# Altium PCB KIPGRDMCU.PcbDoc (part 2 of 2)
Units mm, origin at the board's own origin, x right, y up, seen from the top; angles counter-clockwise.
Board outline 110 x 75 mm, 2 copper layers (Top Layer, Bottom Layer), stack 1.569 mm thick; 130 components, 84 nets, 432 pads, 177 vias.
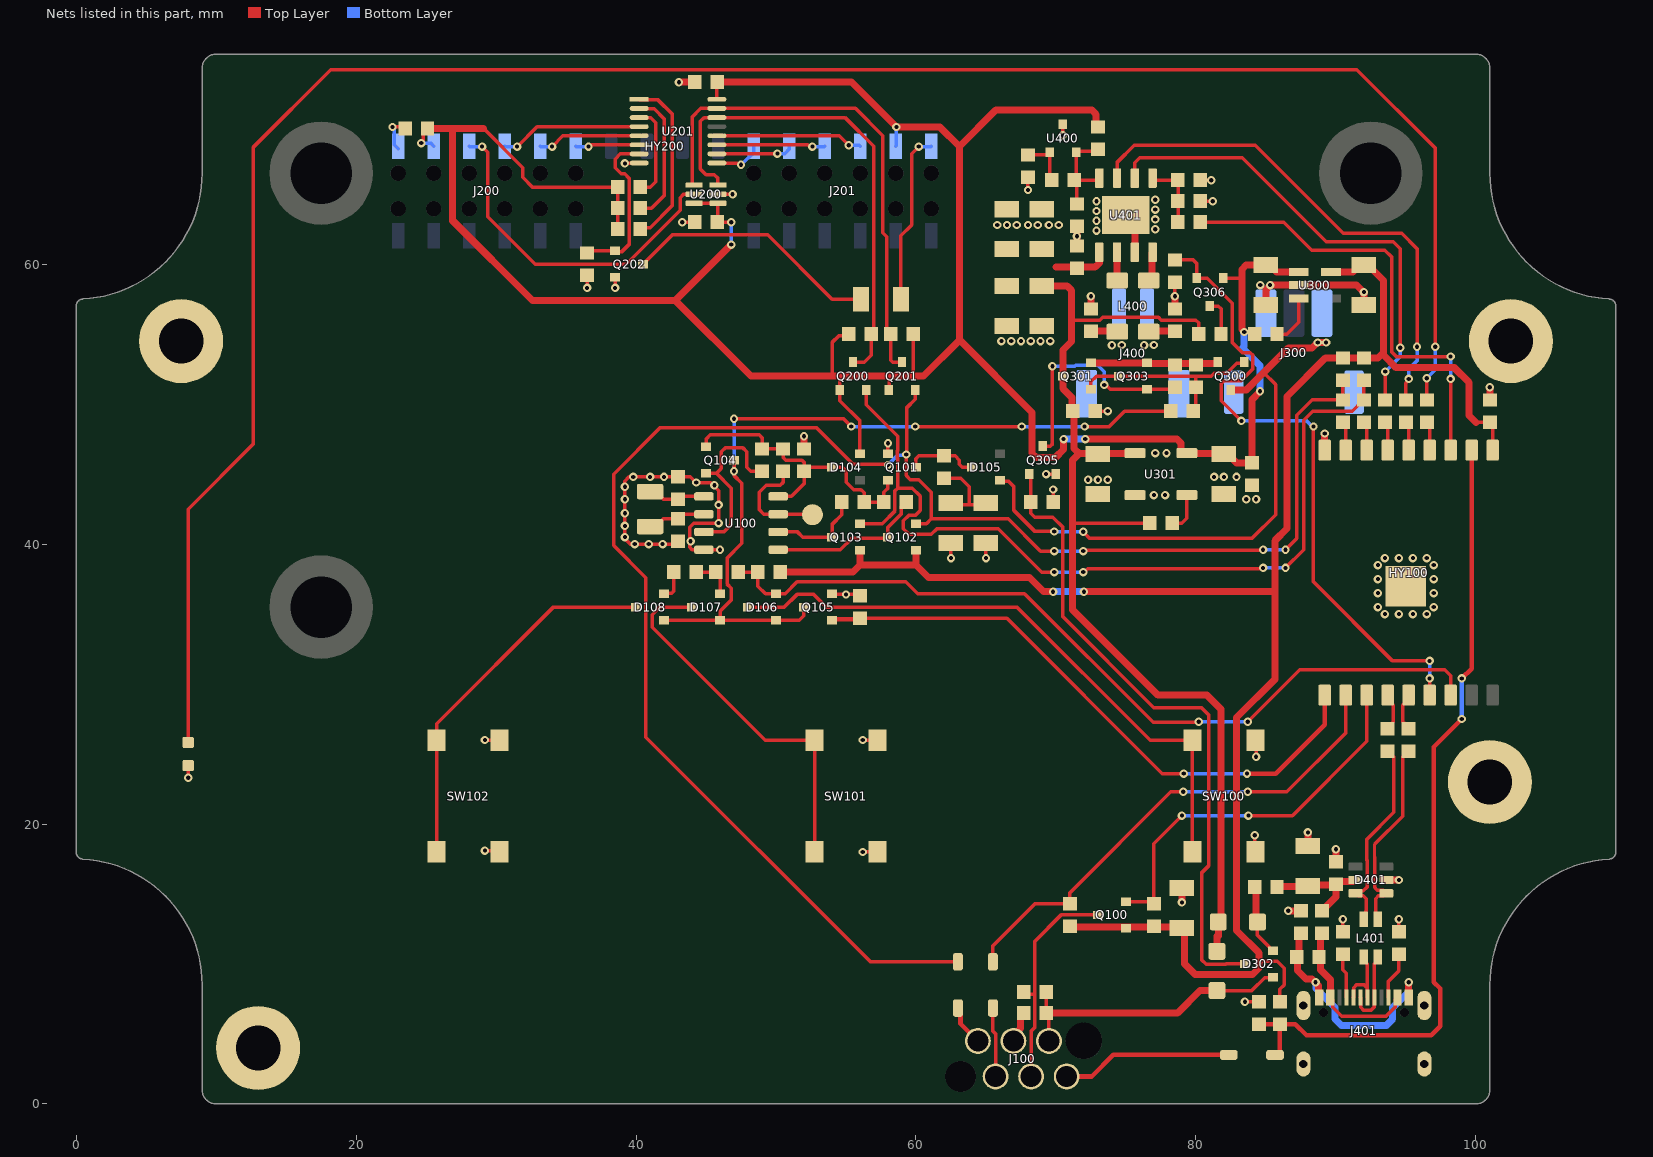
[diagram p2: the nets of this part, all layers, seen from the top]

## Part data (continued)
Y100: library part CMP-030-000070-2, "WE-XTAL Watch Crystal, SMT, CFPX-217, 32.768kHz, +/-20ppm", Frequency=32.768kHz, Frequency Stability=-, Frequency Tolerance=+/-20ppm, Load Capacitance=12.5pF, Manufacturer="Wurth Elektronik", Operating Temperature="-40 to +85degC", Component Type=Standard, ComponentLink1Description=Manufacturer, ComponentLink1URL=http://www.we-online.de, ComponentLink2Description=Datasheet, ComponentLink2URL=https://katalog.we-online.com/pbs/datasheet/830009678.pdf, Design Item ID=830009678, Manufacturer Part Number=830009678, Mounting Technology=SMT, Packaging="Tape and Reel", Pin Count=2, Published Date="July 2020", Size=CFPX-217, Source=WE-XTAL_CFPX-217.SchLib

## Free pads (board coordinates)
  round 6 hole 3.2: 1(7.5,54.5) 4(102.5,54.5) 5(13,4) 6(101,23)

## Via types
v1: diameter 0.6, hole 0.3, Top Layer to Bottom Layer, tented both sides, 177 vias

## Nets (pads, with @x,y where several pads share a name; then routed paths per layer and width w, separated by ;. In a path a pad name is that pad's centre, name@x,y a point inside that pad or via, vN(x,y) a via of type N, cw(c..) or ccw(c..) an arc to the next point about the centre after c; other vN are vias at no path point)
+2V25: C401.1 R400.1 R401.2 U400.2 U401.4 | length 7.5
  Top Layer w0.25: R401.2@71.3,66 R401.2@71.45,66 ; C401.1@71.5,64.2 R401.2@71.5,66 ; R400.1@73,68.2 73,68.05 71.45,68.05 R401.2@71.45,66 ; U401.4@73.095,66.15 73.095,66 R401.2@71.5,66 ; R401.2@71.45,66 R401.2@71.5,66
+3V3: C100.2 C101.2 C301.1 HY100.1 Q100.1 Q102.1 Q103.1 R100.2 R101.2 R110.2 R114.2 R115.2 R116.2 U300.5 | length 133.4
  Top Layer w0.25: 84.5,10.2 85.8,10.2 86.3,9.7 86.3,8.5 86,8.2 R101.2@86,7.3 ; 100,48.7 C101.2@101,48.7 101.2,48.5 HY100.1@101.2,46.71
  Top Layer w0.5: R110.2@50.3,38 55.5,38 56,38.5 ; Q103.1@56,39.55 56,38.5 ; Q102.1@60,39.55 60,38.5 ; v1(69.8,36.6) 69.1,36.6 68.1,37.6 60.9,37.6 60,38.5 ; R114.2@71,12.7 71.062,12.638 78.937,12.638 C301.1@79,12.575 79.2,12.375 79.2,10 79.95,9.25 84.036,9.25 84.5,9.714 84.5,10.2 84.5,10.8 82.9,12.4 82.9,27.6 85.636,30.336 85.636,36.6 ; v1(72,36.6) 85.636,36.6 ; U300.5@89.651,59.45 91.225,59.45 91.7,59.925 92.3,59.925 93.4,58.825 93.4,53.503 94.303,52.6 98.461,52.6 99.5,51.561 99.5,49.2 100,48.7 ; 93.4,53.7 93,53.3 R100.2@92,53.3 R116.2@90.5,53.3 89.242,53.3 86.5,50.558 86.5,41.1 85.636,40.236 85.636,36.6 ; 56,38.5 60,38.5
  Bottom Layer w0.5: v1(69.8,36.6) v1(72,36.6)
+5V: C200.2 C201.2 C202.2 C300.1 C305.1 D104.2 HY200.2 HY200.15 J200.3 J201.9 Q200.1 Q201.1 Q306.1 R200.2 R201.2 R202.2 R203.2 R204.2 R301.1 R308.1 R400.2 U200.1 U200.6 U201.16 U300.1 U301.5 | length 191.2
  Top Layer w0.25: v1(24.652,68.652) 24.652,68.725 24.79,68.863 24.79,69.39 C202.2@25.1,69.7 ; 29.1,69.7 31.9,66.9 31.9,66.2 32.6,65.5 R202.2@38.7,65.5 R203.2@38.7,64 R204.2@38.7,62.5 ; U200.6@44.149,64.35 U200.1@45.851,64.35 45.851,63.051 C201.2@45.8,63 v1(46.8,63) ; C200.2@45.8,73 45.775,72.975 U201.16@45.775,71.775 45.995,71.775 U201.16@46,71.78 ; 54,52 54,54.4 54.496,54.896 55.096,54.896 R201.2@55.2,55 ; 54.6,52 54.55,51.95 Q200.1@54.55,51 54.55,50.25 56,48.8 D104.2@56,46.45 ; Q201.1@58.05,51 58.1,51.05 58.1,52 ; 59.8,52 R200.2@59.8,55 ; Q306.1@81.95,59 83.3,59
  Top Layer w0.5: C202.2@25.1,69.7 26.9,69.7 ; 29.1,69.7 26.9,69.7 ; C200.2@45.8,73 55.4,73 v1(58.6,69.8) 61.7,69.8 63.1,68.4 ; v1(46.8,61.4) 42.8,57.4 ; v1(70.55,47.5) 70.531,47.481 70.531,46.744 69.986,46.2 68.564,46.2 68.3,46.464 68.3,49.4 63.1,54.6 ; v1(72.099,47.499) 78.654,47.499 78.947,47.206 78.947,46.6 79.047,46.5 U301.5@79.35,46.5 79.387,46.463 81.963,46.463 C305.1@82,46.425 82.3,46.425 82.625,46.1 82.625,46.093 82.918,45.8 R308.1@84,45.8 84,50.312 84.58,50.893 v1(84.58,50.92) ; R400.2@73,69.8 72.871,69.929 72.871,70.707 72.579,71 65.7,71 63.1,68.4 ; v1(83.451,55.151) 83.451,55.178 83.3,55.329 83.3,59 83.3,59.632 83.593,59.925 C300.1@85,59.925 85.3,59.925 85.775,59.45 U300.1@87.349,59.45 ; 26.9,69.7 26.9,63.1 32.6,57.4 42.8,57.4 ; 42.8,57.4 48.2,52 54,52 54.6,52 58.1,52 59.8,52 60.54,52 63.1,54.56 63.1,54.6 ; 63.1,54.6 63.1,68.4
  Bottom Layer w0.25: v1(24.652,68.652) 25.318,68.652 HY200.2@25.54,68.43 ; v1(46.8,61.4) v1(46.8,63) ; HY200.15@58.56,68.43 58.58,68.45 58.58,69.78 v1(58.6,69.8)
  Bottom Layer w0.5: v1@70.551,47.499 v1(72.099,47.499) ; v1(83.451,55.151) 83.432,55.132 83.432,54.117 83.319,54.004 84.58,52.743 v1(84.58,50.92)
/EN: D106.1 D107.1 D108.1 Q104.3 Q105.3 R303.1 | length 58.9
  Top Layer w0.25: D108.1@42,34.55 D107.1@46,34.55 ; Q104.3@47,46 v1(47,45.2) 47,44.9 47.55,44.35 47.55,40.05 46.5,39 46.5,37.15 46.8,36.85 46.8,36 46,35.2 D107.1@46,34.55 ; v1(47,48.95) 54.825,48.95 v1(55.375,48.4) ; Q105.3@52,35.5 51.982,35.482 51.982,34.882 51.65,34.55 D106.1@50,34.55 D107.1@46,34.55 ; v1(59.95,48.4) v1(67.55,48.4) ; v1(72.05,48.4) 73.8,48.4 74.9,49.5 R303.1@78.2,49.5
  Bottom Layer w0.25: v1(47,45.2) v1(47,48.95) ; v1(55.375,48.4) v1(59.95,48.4) ; v1(67.55,48.4) v1(72.05,48.4)
BT: Q202.1 R206.2 U201.7 | length 11.8
  Top Layer w0.25: R206.2@36.5,60.8 36.65,60.95 Q202.1@38.5,60.95 38.55,60.9 39,60.9 39.5,61.4 39.5,66.135 39.185,66.45 38.95,66.45 38.5,66.9 38.5,67.5 38.875,67.875 U201.7@40.225,67.875
CC1: J401.A5 R405.2 | length 3.1
  Top Layer w0.25: R405.2@90.5,10.6 90.5,9.6 90.75,9.35 J401.A5@90.75,7.605
CC2: J401.B5 R404.2 | length 3.2
  Top Layer w0.25: J401.B5@93.75,7.605 93.75,8.75 94.5,9.5 R404.2@94.5,10.5
CONTRAST: HY200.3 J200.5 U200.5 | length 24.9
  Top Layer w0.25: v1(29,68.4) 29.4,68 29.4,63.4 32.8,60 39.3,60 43.15,63.85 43.15,64.75 43.377,64.977 44.126,64.977 U200.5@44.149,65
  Bottom Layer w0.25: HY200.3@28.08,68.43 28.11,68.4 v1(29,68.4)
D4: HY200.11 J201.1 U201.9 | length 3.8
  Top Layer w0.25: U201.9@45.775,67.225 47.28,67.225 47.405,67.1 v1(47.5,67.1)
  Bottom Layer w0.25: v1(47.5,67.1) 47.52,67.1 48.4,67.98 HY200.11@48.4,68.125 ; HY200.11@48.4,68.125 HY200.11@48.4,68.43 HY200.11@48.4,68.125
D5: HY200.12 J201.3 U201.10 | length 5.5
  Top Layer w0.25: U201.10@45.775,67.875 47.291,67.875 47.316,67.9 v1(50.1,67.9)
  Bottom Layer w0.25: v1(50.1,67.9) 50.615,67.9 50.94,68.225 HY200.12@50.94,68.43
D6: HY200.13 J201.5 U201.11 | length 7.8
  Top Layer w0.25: U201.11@45.775,68.525 52.279,68.525 52.337,68.467 52.533,68.467 v1(52.6,68.4)
  Bottom Layer w0.25: v1(52.6,68.4) 53.45,68.4 HY200.13@53.48,68.43
D7: HY200.14 J201.7 U201.12 | length 10.6
  Top Layer w0.25: U201.12@45.775,69.175 54.525,69.175 v1(55.2,68.5)
  Bottom Layer w0.25: v1(55.2,68.5) 55.95,68.5 HY200.14@56.02,68.43
E: HY200.6 J200.11 U201.6 | length 4.6
  Top Layer w0.25: v1(36.6,68.4) 36.695,68.4 36.82,68.525 U201.6@40.225,68.525
  Bottom Layer w0.25: HY200.6@35.7,68.43 35.73,68.4 v1(36.6,68.4)
EN_PWR: HY100.10 Q105.1 R121.1 | length 43.4
  Top Layer w0.25: R121.1@56,34.7 66.5,34.7 77.6,23.6 v1(79.125,23.6)
  Top Layer w0.33: Q105.1@54,34.55 54.075,34.625 55.925,34.625 R121.1@56,34.7 ; v1(83.65,23.6) 85.7,23.6 89.2,27.1 HY100.10@89.2,29.21
  Bottom Layer w0.25: v1(79.125,23.6) v1(83.65,23.6)
GND: C100.1 C101.1 C102.1 C103.1 C104.1 C105.1 C106.1 C107.1 C108.1 C200.1 C201.1 C202.1 C300.2 C301.2 C303.2 C304.2 C305.2 C401.2 C402.1 C403.2 C404.1 C405.1 C406.1 C408.1 C409.1 C410.1 C411.1 C412.1 D100.1 D401.2 FB402.2 HY100.0 HY100.9 HY200.1 J100.4 J200.1 J300.3 J300.MP1 J300.MP2 J400.MP1 J400.MP2 J401.S1 J401.S2 J401.S3 J401.S4 pad.1 pad.4 pad.5 pad.6 Q101.1 Q105.2 Q202.2 Q305.2 R121.2 R206.1 R305.1 R308.2 R309.2 R402.1 R403.1 R404.1 R405.1 SW100.B1 SW100.B2 SW101.B1 SW101.B2 SW102.B1 SW102.B2 U100.4 U200.2 U201.8 U300.2 U301.2 U301.3 U400.3 U401.7 U401.9 | length 80.4
  Top Layer w0.25: v1(8,23.3) D100.1@8,24.24 ; v1(22.6,69.8) 23.4,69.8 C202.1@23.5,69.7 ; v1(29.2,18.1) 30.175,18.1 SW102.B1@30.25,18.025 ; v1(29.2,26) 30.225,26 SW102.B2@30.25,25.975 ; v1(36.5,58.3) R206.1@36.5,59.2 ; v1(38.5,58.3) Q202.2@38.5,59.05 ; v1(39.2,67.2) 39.212,67.212 40.212,67.212 U201.8@40.225,67.225 ; C107.1@43,40.2 42.8,40 39.6,40 39.2,40.4 39.2,44.5 39.5,44.8 v1(39.8,44.8) v1(41,44.8) v1(42,44.8) C106.1@43,44.8 43.875,44.8 44.279,44.396 45.309,44.396 45.505,44.2 v1(45.6,44.2) 45.6,44.105 45.9,43.805 v1(45.9,41.5) 44.113,41.5 43.825,41.212 43.825,39.775 44,39.6 44.845,39.6 U100.4@44.85,39.595 44.852,39.598 45.998,39.598 v1(46,39.6) ; v1(43.3,63) C201.1@44.2,63 ; U200.2@45.851,65 v1(46.9,65) ; Q105.2@54,36.45 54.025,36.425 54.975,36.425 v1(55,36.4) 55.9,36.4 R121.2@56,36.3 ; v1(56.2,18) 57.225,18 SW101.B1@57.25,18.025 ; v1(56.2,26) 57.225,26 SW101.B2@57.25,25.975 ; Q101.1@58,46.45 v1(58,47.2) ; v1(62.5,39) C103.1@62.5,40.075 ; v1(65,39) C104.1@65,40.075 ; v1(68,65.3) R402.1@68,66.2 ; v1(69.3,45) Q305.2@70,45 ; R305.1@69.8,43 v1(69.8,43.9) v1@69.895,43.9 ; v1(70.5,69.2) U400.3@70.5,69.95 ; C304.2@72.8,49.5 v1(73.7,49.5) ; v1(78.5,57.7) R309.2@78.5,58.7 ; C404.1@80.2,66 v1(81.1,66) ; R403.1@80.3,64.5 v1(81.2,64.5) ; v1(83.5,7.3) C102.1@84.5,7.3 ; v1(84.2,19.2) 84.2,18.075 SW100.B1@84.25,18.025 ; SW100.B2@84.25,25.975 84.3,25.925 v1(84.3,24.8) ; R405.1@90.5,12.3 v1(90.5,13.2) ; R404.1@94.5,12.3 v1(94.5,13.2) ; pad.4@101.1,53.5 pad.4@101.1,54.3
  Top Layer w0.5: v1(43.061,73) C200.1@44.2,73 ; C108.1@52,46.8 v1(52,47.7) ; J100.4@66.96,4.5 66.96,4.865 67.475,5.38 67.475,6.275 C105.1@67.7,6.5 ; C403.2@71.5,61.2 v1(71.5,62) C401.2@71.5,62.8 ; C406.1@72.5,56.7 v1(72.5,57.7) ; U401.9@75.6,63 75.635,62.965 U401.7@75.635,60.85 ; C405.1@78.5,56.7 C405.1@78.5,56.8 v1(78.5,57.7) ; v1(79,14.4) C301.2@79,15.425 ; C300.2@85,57.075 85,58.173 85.3,58.473 v1(85.3,58.5) U300.2@87.349,58.5 91.473,58.5 91.973,58 v1(92,58) C100.1@92,57.075 ; v1(86.6,13.8) FB402.2@87.5,13.8 ; C408.1@88,18.425 v1(88,19.4) ; HY100.9@89.2,46.71 v1(89.2,47.9) ; C409.1@90,17.3 v1(90,18.2) ; D401.2@93.6,16 v1(94.5,16) ; C101.1@101,50.3 v1(101,51.2)
  Bottom Layer w0.25: v1(22.6,69.8) 22.6,69.727 22.715,69.612 22.715,68.519 HY200.1@23,68.234
  other v1: 93.5,35 94.5,35 95.5,35 96.5,35 93,35.5 97,35.5 93,36.5 97,36.5 93,37.5 97,37.5 93,38.5 97,38.5 93.5,39 94.5,39 95.5,39 96.5,39 39.9,40 40.9,40 41.9,40 43.9,40.2 39.2,40.5 39.2,41.3 39.2,42.2 45.9,42.8 39.2,43.2 83.6,43.2 84.3,43.2 77,43.5 77.8,43.5 39.2,44.1 44.296,44.396 72.3,44.6 73,44.6 73.7,44.6 81.3,44.8 82,44.8 82.9,44.8 77.1,46.5 77.9,46.5 66.1,54.5 66.8,54.5 67.5,54.5 68.2,54.5 68.9,54.5 69.6,54.5 84.6,58.5 72.9,62.4 77.1,62.5 65.8,62.8 66.5,62.8 67.2,62.8 68,62.8 68.7,62.8 69.5,62.8 70.2,62.8 72.9,63.1 77.1,63.2 72.9,63.8 77.1,63.9 72.9,64.5 77.1,64.6
I2C.SCL: Q103.2 Q200.2 R100.1 R105.2 | length 63.9
  Top Layer w0.25: Q103.2@56,41.45 57.585,41.45 58.5,42.365 58.5,43.8 58.7,44 ; Q200.2@56.45,51 56.45,49.95 58.7,47.7 58.7,46.684 58.675,46.659 58.675,46.141 58.7,46.116 58.7,44 ; v1(69.875,38) 68.985,38 65.885,41.1 61.5,41.1 61.1,40.7 59.5,40.7 59.1,41.1 59.1,41.66 59.515,42.075 59.975,42.075 60.3,42.4 60.3,43.435 59.735,44 58.7,44 ; v1(71.95,38) 72.021,38 72.271,38.25 84.75,38.25 v1(84.8,38.3) ; v1(86.4,38.3) 87.7,39.6 87.7,48.854 88.346,49.5 91.175,49.5 91.975,50.3 R105.2@92,50.3 R100.1@92,51.7
  Bottom Layer w0.25: v1(69.875,38) v1(71.95,38) ; v1(84.8,38.3) v1(86.4,38.3)
I2C.SDA: D103.2 Q102.2 Q201.2 R106.2 R116.1 | length 125.5
  Top Layer w0.25: v1(58,45.65) 57.95,45.7 55.5,45.7 52.875,48.325 41.725,48.325 38.4,45 38.4,39.9 40.7,37.6 40.7,26.2 56.75,10.15 D103.2@63,10.15 ; v1(59.3,46.4) 59.3,44.9 59.6,44.6 60.2,44.6 61.1,43.7 61.1,41.8 ; v1@59.325,46.4 59.325,49.725 59.95,50.35 Q201.2@59.95,51 ; Q102.2@60,41.45 60.75,41.45 61.1,41.8 ; v1(69.875,39.5) 68.9,39.5 66.6,41.8 61.1,41.8 ; v1(71.95,39.5) 72,39.55 84.75,39.55 v1(84.8,39.6) ; v1(86.4,39.6) 87.2,40.4 87.2,49.2 88.3,50.3 R106.2@90.5,50.3 R116.1@90.5,51.6
  Bottom Layer w0.25: v1(58,45.65) 58.683,46.333 59.233,46.333 v1(59.3,46.4) ; v1(69.875,39.5) v1(71.95,39.5) ; v1(84.8,39.6) v1(86.4,39.6)
MOTOR.IN1: R104.2 U401.3 | length 37.3
  Top Layer w0.25: U401.3@74.365,66.15 74.365,67.265 75.6,68.5 84.236,68.5 90.536,62.2 94.7,62.2 95.8,61.1 v1(95.8,54.1) ; R104.2@95,50.3 95,51.505 95.2,51.705 v1(95.2,51.8)
  Bottom Layer w0.25: v1(95.2,51.8) 95.2,52.5 95.8,53.1 v1(95.8,54.1)
MOTOR.IN2: R107.2 U401.2 | length 34.1
  Top Layer w0.25: U401.2@75.635,66.15 75.635,67.235 76,67.6 83.3,67.6 89.3,61.6 94.1,61.6 94.6,61.1 v1(94.6,54.025) ; R107.2@93.5,50.3 93.521,50.321 v1(93.521,52.321)
  Bottom Layer w0.25: v1(93.521,52.321) 94.6,53.4 v1(94.6,54.025)
MOTOR_GATE: Q300.1 Q301.1 Q303.3 R303.2 R304.1 | length 14.3
  Top Layer w0.25: Q301.1@72.5,51.05 72.5,51.6 72.9,52 Q303.3@74.5,52 80,52 ; R303.2@80,49.8 R304.1@80,51.2 80,52 ; Q300.1@83.45,53 83.371,52.921 82.921,52.921 82.2,52.2 81.3,52.2 81.1,52 80,52
NetC103_2: C103.2 C104.2 R120.2 | length 5.4
  Top Layer w0.25: R120.2@62,44.7 63.2,44.7 63.8,44.1 63.8,42.8 ; C103.2@62.5,42.925 62.625,42.8 63.8,42.8 ; C104.2@64.5,42.8 63.8,42.8
NetC106_2: C106.2 U100.1 Y100.1 | length 4.2
  Top Layer w0.25: Y100.1@41,43.75 41.407,43.75 41.957,43.2 C106.2@43,43.2 43.205,43.405 U100.1@44.85,43.405
NetC107_2: C107.2 U100.2 Y100.2 | length 4.2
  Top Layer w0.25: Y100.2@41,41.25 41.407,41.25 41.957,41.8 C107.2@43,41.8 43.335,42.135 U100.2@44.85,42.135
NetC405_2: C405.2 J400.1 L400.4 | length 1.9
  Top Layer w0.5: L400.4@76.625,55.175 76.687,55.238 78.437,55.238 C405.2@78.5,55.3
  other v1: 76.3,54.2 77,54.225
NetC406_2: C406.2 J400.2 L400.1 | length 1.7
  Top Layer w0.5: C406.2@72.5,55.3 72.562,55.238 74.037,55.238 L400.1@74.1,55.3
  other v1: 74,54.2 74.7,54.225
NetC408_2: C408.2 C409.2 D401.5 FB400.2 FB401.1 | length 7.7
  Top Layer w0.5: FB401.1@85.8,15.5 85.838,15.538 87.962,15.538 C408.2@88,15.575 ; C408.2@88,15.637 C408.2@88.238,15.637 ; C408.2@88.4,15.637 89.938,15.637 C409.2@90,15.7 ; FB400.2@89,13.8 89.025,13.8 89.25,14.025 89.25,14.05 90,14.8 C409.2@90,15.778 ; C409.2@90.25,15.9 91.3,15.9 D401.5@91.4,16
NetD100_2: D100.2 R103.2 | length 151.8
  Top Layer w0.25: D100.2@8,25.825 8,42.5 12.666,47.166 12.666,68.366 18.2,73.9 91.5,73.9 97.1,68.3 v1(97.1,54.1) ; R103.2@96.5,50.3 v1(96.5,51.85)
  Bottom Layer w0.25: v1(96.5,51.85) 97.1,52.45 v1(97.1,54.1)
NetD101_1: D101.1 J100.1 | length 12.2
  Top Layer w0.33: J100.1@70.77,1.96 72.56,1.96 74.1,3.5 D101.1@82.35,3.5
NetD102_1: D102.1 J100.5 | length 5
  Top Layer w0.25: D102.1@65.5,6.85 65.5,5.188 65.69,4.998 J100.5@65.69,1.96
NetD103_1: D103.1 J100.6 | length 2.9
  Top Layer w0.33: D103.1@63,6.85 63.18,6.67 63.18,5.74 J100.6@64.42,4.5
NetD105_3: D105.3 Q101.3 R120.1 | length 5.2
  Top Layer w0.25: Q101.3@60,45.5 60,46.1 60.2,46.3 R120.1@62,46.3 62.8,46.3 63.1,46 63.1,45.7 63.3,45.5 D105.3@64,45.5
NetD106_3: D106.3 SW100.A1 SW100.A2 | length 44.4
  Top Layer w0.25: D106.3@48,35.5 50.6,35.5 51.5,36.4 52.7,36.4 53.6,35.5 67.2,35.5 76.725,25.975 SW100.A2@79.75,25.975 SW100.A1@79.75,18.025
NetD107_2: D107.2 R111.1 R112.2 | length 3.1
  Top Layer w0.25: R112.2@44.3,38 R111.1@45.7,38 46,37.7 D107.2@46,36.45
NetD107_3: D107.3 SW101.A1 SW101.A2 | length 26.9
  Top Layer w0.25: D107.3@44,35.5 41.7,35.5 41.15,34.95 41.15,34.05 49.225,25.975 SW101.A2@52.75,25.975 SW101.A1@52.75,18.025
NetD108_2: D108.2 R112.1 | length 2.1
  Top Layer w0.25: D108.2@42,36.45 42.05,36.5 42.554,36.5 42.7,36.646 R112.1@42.7,38
NetD108_3: D108.3 SW102.A1 SW102.A2 | length 26.8
  Top Layer w0.25: SW102.A1@25.75,18.025 SW102.A2@25.75,25.975 25.75,27.15 34.1,35.5 D108.3@40,35.5
NetD302_3: D302.3 Q305.1 R305.2 | length 46.3
  Top Layer w0.25: Q305.1@68.1,45 68.2,45 R305.2@68.2,43 68.2,42.2 68.475,41.925 69.775,41.925 70.5,41.2 70.5,34.8 77,28.3 80.4,28.3 80.9,27.8 80.9,17 80.4,16.5 80.4,10.313 80.738,9.975 82.147,9.975 82.172,10 D302.3@83.5,10
NetHY100_3: HY100.3 R102.1 | length 32.5
  Top Layer w0.25: R102.1@80.3,63 86.275,63 88.275,61 93.5,61 93.975,60.525 93.975,53.741 94.316,53.4 v1(98.2,53.4) ; HY100.3@98.2,46.71 v1(98.2,51.8)
  Bottom Layer w0.25: v1(98.2,51.8) v1(98.2,53.4)
NetHY100_4: HY100.4 R103.1 | length 2.2
  Top Layer w0.25: R103.1@96.5,48.7 96.7,48.7 HY100.4@96.7,46.71
NetHY100_5: HY100.5 R104.1 | length 2.2
  Top Layer w0.25: R104.1@95,48.7 95.2,48.7 HY100.5@95.2,46.71
NetHY100_6: HY100.6 R107.1 | length 1.9
  Top Layer w0.25: R107.1@93.6,48.6 93.7,48.5 HY100.6@93.7,46.71
NetHY100_7: HY100.7 R105.1 | length 1.9
  Top Layer w0.25: R105.1@92,48.5 92.09,48.5 92.2,48.39 HY100.7@92.2,46.71
NetHY100_8: HY100.8 R106.1 | length 2.1
  Top Layer w0.25: R106.1@90.5,48.7 90.7,48.5 HY100.8@90.7,46.71
NetHY200_16: HY200.16 J201.11 R205.2 | length 12.8
  Top Layer w0.25: R205.2@58.925,57 58.925,62.025 59.7,62.8 59.7,67.9 v1(60.2,68.4)
  Bottom Layer w0.25: v1(60.2,68.4) 61.07,68.4 HY200.16@61.1,68.43
NetJ100_3: J100.3 Q100.3 R117.1 | length 15.9
  Top Layer w0.25: R117.1@67.7,8 67.846,7.854 68.5,7.854 ; J100.3@68.23,1.96 68.23,5.215 68.5,5.485 68.5,7.854 ; Q100.3@73,13.5 70.365,13.5 68.5,11.635 68.5,7.854
NetL400_2: L400.2 U401.6 | length 2
  Top Layer w0.5: U401.6@74.365,60.85 74.37,60.845 74.37,58.83 L400.2@74.375,58.825
NetL400_3: L400.3 U401.8 | length 2.1
  Top Layer w0.5: L400.3@76.625,58.825 76.855,59.055 76.855,60.8 U401.8@76.905,60.85
NetQ102_3: Q102.3 R118.1 U100.5 | length 10.7
  Top Layer w0.25: U100.5@50.7,39.6 54.6,39.6 55.4,40.4 57.9,40.4 Q102.3@58,40.5 58,41.196 58.95,42.146 58.95,42.65 R118.1@59.3,43
NetQ103_3: Q103.3 R113.1 U100.6 | length 6.8
  Top Layer w0.25: U100.6@50.15,40.865 51.535,40.865 51.9,40.5 Q103.3@54,40.5 54,41.4 54.7,42.1 R113.1@54.7,43
NetQ104_2: Q104.2 R119.2 U100.3 | length 13.1
  Top Layer w0.25: U100.3@44.85,40.865 46.265,40.865 46.8,41.4 46.8,44 45.75,45.05 ; Q104.2@45,45.05 45.75,45.05 ; R119.2@49,45.2 48.2,45.2 47.9,45.5 47.9,46.6 47.604,46.896 46.396,46.896 46.1,46.6 46.1,45.4 45.75,45.05
NetQ202_3: Q202.3 R205.1 | length 18.4
  Top Layer w0.25: Q202.3@40.5,60 42.6,62.1 49.4,62.1 54,57.5 R205.1@56.075,57.5
NetQ300_2: Q300.2 Q301.2 Q303.2 R300.2 R304.2 | length 9.2
  Top Layer w0.5: Q301.2@72.5,52.95 Q303.2@76.5,52.95 76.55,52.9 R300.2@78.5,52.9 ; R300.2@78.5,52.8 78.6,52.9 R304.2@80,52.9 ; R304.2@80,52.8 80.1,52.9 81.5,52.9 81.55,52.95 Q300.2@81.55,53
NetQ303_1: Q303.1 Q305.3 R300.1 | length 18.6
  Top Layer w0.25: Q305.3@69.05,47 69.604,47 69.75,47.146 v1(69.75,52.7) ; v1(73.45,51.375) 73.545,51.375 73.87,51.05 76.275,51.05 76.425,51.2 76.5,51.2 76.65,51.05 R300.1@78.35,51.05 ; Q303.1@76.5,51.05 R300.1@78.35,51.05 ; R300.1@78.35,51.05 R300.1@78.5,51.2 R300.1@78.35,51.05
  Bottom Layer w0.25: v1(69.75,52.7) 71.35,52.7 71.425,52.775 72.975,52.775 73.45,52.3 v1(73.45,51.375)
NetQ306_3: Q306.3 R306.1 | length 2.7
  Top Layer w0.25: Q306.3@81,57 81.6,57 81.8,56.8 81.8,55.8 R306.1@81.8,55
NetR122_2: R122.2 TP100.1 U100.7 | length 8
  Top Layer w0.25: R122.2@50.5,45.2 50.5,44.4 50.3,44.2 49.3,44.2 48.8,43.7 48.8,42.47 49.135,42.135 U100.7@50.15,42.135 50.167,42.118 52.582,42.118 TP100.1@52.6,42.1
NetR202_1: R202.1 U201.3 | length 6.8
  Top Layer w0.25: U201.3@40.225,70.475 40.242,70.458 41.042,70.458 41.4,70.1 41.4,65.9 41.004,65.504 40.304,65.504 R202.1@40.3,65.5
NetR203_1: R203.1 U201.2 | length 9.6
  Top Layer w0.25: U201.2@40.225,71.125 40.242,71.108 41.292,71.108 42,70.4 42,64.9 41.1,64 R203.1@40.3,64
NetR204_1: R204.1 U201.1 | length 12.3
  Top Layer w0.25: U201.1@40.225,71.775 40.27,71.73 41.57,71.73 42.6,70.7 42.6,64.2 41.004,62.604 40.404,62.604 R204.1@40.3,62.5
NetR301_2: R301.2 U300.3 | length 3.6
  Top Layer w0.25: R301.2@85.8,55 86.5,55 87.349,55.849 U300.3@87.349,57.55
NetR302_2: R302.2 U301.4 | length 2.8
  Top Layer w0.25: R302.2@78.3,41.5 79,41.5 79.35,41.85 U301.4@79.35,43.5
NetR401_1: R401.1 R402.2 U400.1 | length 3.8
  Top Layer w0.25: R402.2@68,67.8 U400.1@69.55,67.8 ; U400.1@69.55,68.05 U400.1@69.55,67.8 ; R401.1@69.7,66 69.55,66 U400.1@69.55,67.8
  Top Layer w0.5: R402.2@68,67.8 R402.2@68,67.9
RS: HY200.4 J200.7 U201.4 | length 10.2
  Top Layer w0.25: v1(31.5,68.4) 32.925,69.825 U201.4@40.225,69.825
  Bottom Layer w0.25: HY200.4@30.62,68.43 30.65,68.4 v1(31.5,68.4)
RST: C102.2 D101.2 HY100.2 R101.1 | length 58.2
  Top Layer w0.33: C102.2@84.734,5.7 R101.1@86,5.7 ; D101.2@85.65,3.5 85.815,3.5 86,3.685 R101.1@86,5.7 ; v1(99,27.5) 97,25.5 97,8.7 97.45,8.25 97.45,5.55 96.8,4.9 87.9,4.9 87.1,5.7 R101.1@86,5.7 ; v1(99,30.4) 99.7,31.1 HY100.2@99.7,46.71
  Bottom Layer w0.33: v1(99,27.5) v1(99,30.4)
RW: HY200.5 J200.9 U201.5 | length 7.4
  Top Layer w0.25: v1(34,68.4) 34.775,69.175 U201.5@40.225,69.175
  Bottom Layer w0.25: HY200.5@33.16,68.43 33.19,68.4 v1(34,68.4)
SCL_5V: Q200.3 R201.1 U200.3 U201.14 | length 35.3
  Top Layer w0.25: U200.3@45.851,65.65 45.851,66.149 45.6,66.4 45,66.4 44.6,66.8 44.6,70.2 44.858,70.458 45.758,70.458 U201.14@45.775,70.475 54.925,70.475 56.975,68.425 56.975,55.175 R201.1@56.8,55 56.8,53.5 56.3,53 Q200.3@55.5,53
SDA_5V: Q201.3 R200.1 U200.4 U201.15 | length 37
  Top Layer w0.25: U200.4@44.149,65.65 44.061,65.65 44,65.711 44,70.5 44.625,71.125 U201.15@45.775,71.125 55.675,71.125 57.631,69.169 57.631,62.231 57.9,61.962 57.9,55.3 R200.1@58.2,55 58.2,53.146 58.346,53 58.95,53 59,52.95 Q201.3@59,52.795
SNS_BUTTON: D106.2 HY100.16 R110.1 R111.2 | length 59.8
  Top Layer w0.25: R111.2@47.3,38 R110.1@48.7,38 48.7,37 49.25,36.45 50.65,36.45 51.5,37.3 59.277,37.3 60.127,36.45 67.75,36.45 76.942,27.258 80.158,27.258 v1(80.2,27.3) ; v1(83.7,27.3) 87.425,31.025 97.775,31.025 98.2,30.6 HY100.16@98.2,29.21
  Bottom Layer w0.25: v1(80.2,27.3) v1(83.7,27.3)
SNS_MOTOR_CURRENT: C404.2 R102.2 R403.2 U401.1 | length 5
  Top Layer w0.25: U401.1@76.905,66.15 76.905,66.135 77.04,66 78.8,66 78.75,65.95 78.75,63.05 R102.2@78.7,63
SNS_VMOTOR: HY100.15 Q306.2 R309.1 | length 47.1
  Top Layer w0.25: R309.1@78.5,60.3 79.8,60.3 80.05,60.05 Q306.2@80.05,59 80.8,59 82.6,57.2 82.6,54.4 83.325,53.675 83.885,53.675 84.075,53.485 84.075,52.515 83.235,51.675 82.021,51.675 81.8,51.454 81.8,50.25 v1(83.25,48.8) ; v1(88.4,48.4) 88.4,37.3 94.05,31.65 v1(96.7,31.65) ; HY100.15@96.7,29.21 v1(96.7,30.4)
  Bottom Layer w0.25: v1(83.25,48.8) 87.905,48.8 88.305,48.4 v1(88.4,48.4) ; v1(96.7,30.4) v1(96.7,31.65)
UART.RX: D102.2 HY100.11 R114.1 | length 35.8
  Top Layer w0.25: D102.2@65.5,10.15 65.5,11.3 68.5,14.3 R114.1@71,14.3 71,15.1 78.2,22.3 v1(79.1,22.3) ; v1(83.7,22.3) 86.5,22.3 90.7,26.5 HY100.11@90.7,29.21
  Bottom Layer w0.25: v1(79.1,22.3) v1(83.7,22.3)
UART.TX: HY100.12 Q100.2 R115.1 | length 27.9
  Top Layer w0.25: Q100.2@75,14.45 76.85,14.45 R115.1@77,14.3 77,18.599 v1(79.001,20.6) ; v1(83.749,20.6) 86.9,20.6 92.2,25.9 HY100.12@92.2,29.21
  Bottom Layer w0.25: v1(79.001,20.6) v1(83.749,20.6)
USB.D_N: J401.A7 J401.B7 L401.1 | length 5.5
  Top Layer w0.25: J401.B7@91.25,7.605 91.275,7.63 91.275,8.31 91.465,8.5 92.035,8.5 92.225,8.31 92.225,7.63 J401.A7@92.25,7.605 92.25,10 92,10.25 L401.1@92,10.5
USB.D_P: J401.A6 J401.B6 L401.4 | length 5.5
  Top Layer w0.25: J401.A6@91.75,7.605 91.775,7.58 91.775,6.9 91.965,6.71 92.535,6.71 92.725,6.9 92.725,7.58 J401.B6@92.75,7.605 92.75,10 93,10.25 L401.4@93,10.5
USB.GND: C407.1 FB402.1 J401.A12/B1 J401.B12/A1 | length 17.1
  Top Layer w0.5: C407.1@87.2,10.3 87.207,10.3 87.257,10.25 87.257,9.543 87.873,8.927 88.288,8.927 88.523,8.693 v1(88.55,8.693) 88.55,8.666 88.75,8.466 88.75,7.655 J401.B12/A1@88.8,7.605 ; C407.1@87.4,10.7 87.35,10.75 87.35,12.05 FB402.1@87.5,12.2 ; J401.A12/B1@95.2,7.605 v1(95.2,8.7)
  Bottom Layer w0.5: v1(88.55,8.693) 88.569,8.673 88.569,8.248 89.939,6.878 89.939,6.071 90.41,5.6 93.6,5.6 94.061,6.061 94.061,6.878 95.181,7.998 95.181,8.681 v1(95.2,8.7)
USB.VUSB: C407.2 FB400.1 J401.A4/B9 J401.B4/A9 | length 11.1
  Top Layer w0.25: J401.A4/B9@89.6,7.605 89.775,7.43 89.775,6.9 90.415,6.26 93.585,6.26 94.225,6.9 94.225,7.43 J401.B4/A9@94.4,7.605
  Top Layer w0.5: FB400.1@88.9,12.3 88.9,10.6 C407.2@88.8,10.5 88.918,10.382 88.918,9.582 89.6,8.9 J401.A4/B9@89.6,8.099
USB_N: HY100.13 R108.1 | length 2.8
  Top Layer w0.25: R108.1@93.7,26.8 93.725,26.8 94.035,27.11 94.035,27.228 94.11,27.303 94.11,28.5 93.7,28.91 HY100.13@93.7,29.21
USB_P: HY100.14 R109.1 | length 2.8
  Top Layer w0.25: R109.1@95.2,26.8 95.175,26.8 94.865,27.11 94.865,27.228 94.79,27.303 94.79,28.5 95.2,28.91 HY100.14@95.2,29.21
USBDATA.D_N: D401.6 L401.2 R108.2 | length 14.2
  Top Layer w0.25: L401.2@92,13.2 92.135,13.335 92.135,13.775 92.16,13.8 92.16,14.672 91.967,14.865 91.585,14.865 D401.6@91.4,15.05 91.585,15.235 91.967,15.235 92.225,15.493 92.225,17.394 92.22,17.399 92.22,17.75 92.22,18.835 92.22,18.92 94.13,20.83 94.13,24.795 93.725,25.2 R108.2@93.7,25.2
USBDATA.D_P: D401.1 L401.3 R109.2 | length 14.1
  Top Layer w0.25: 92.76,18.515 92.76,17.622 92.765,17.617 92.765,15.463 92.953,15.275 93.375,15.275 93.415,15.235 D401.1@93.6,15.05 93.415,14.865 93.033,14.865 92.84,14.672 92.84,13.8 92.865,13.775 92.865,13.335 L401.3@93,13.2 ; 92.8,18.595 94.77,20.565 94.77,24.795 95.175,25.2 R109.2@95.2,25.2
VBAT: D105.1 J300.1 Q300.3 | length 41.8
  Top Layer w0.25: D105.1@66,44.55 66.075,44.475 66.625,44.475 67,44.1 67,42.4 68.5,40.9 v1(69.875,40.9) ; v1(71.95,40.875) 72.425,40.4 81.8,40.4 84,40.4 85.7,42.1 85.7,51.4 84.85,52.25
  Top Layer w0.5: Q300.3@82.5,51 83.6,51 84.85,52.25 86.6,54 88.3,54 v1(88.7,54.4) v1(89.3,54.4)
  Bottom Layer w0.25: v1(69.875,40.9) 69.888,40.888 71.937,40.888 v1(71.95,40.875)
VDBG: C105.2 D300.2 D302.1 J100.2 R117.2 | length 20.4
  Top Layer w0.25: C105.2@69.3,6.5 R117.2@69.3,8 ; J100.2@69.5,4.5 69.5,6.2 69.8,6.5 ; D300.2@81.5,8.1 84,8.1 84.921,9.021 85.471,9.021 D302.1@85.5,9.05
  Top Layer w0.5: 69.8,6.5 78.7,6.5 80.3,8.1 D300.2@81.5,8.1
VMOTOR: C303.1 C304.1 C402.2 C403.1 C410.2 C411.2 C412.2 D300.1 D301.1 Q301.3 R302.1 R306.2 U301.1 U401.5 | length 81.2
  Top Layer w0.25: 71.1,56 73.135,56 73.335,56.2 77.325,56.2 77.525,56 80,56 80.2,55.8 R306.2@80.2,55 R306.2@80.171,54.971 ; 71.2,41.5 R302.1@76.7,41.5
  Top Layer w0.5: C412.2@66.175,58.1 C412.2@66.5,58.425 ; C411.2@69.125,58.3 C411.2@69,58.425 70.807,58.425 71.1,58.132 71.1,56 71.1,54.464 70.5,53.864 Q301.3@70.5,52 70.5,51.1 71.143,50.457 C304.1@71.143,49.557 ; 70,59.8 C403.1@71.5,59.8 ; C304.1@71.2,49.5 C304.1@71.143,49.557 ; C403.1@71.6,59.8 72.807,59.8 73.1,60.093 73.1,60.845 U401.5@73.095,60.85 ; C303.1@73.257,46.682 C303.1@73,46.425 72.957,46.468 71.668,46.468 ; C303.1@73.5,46.625 73.5,46.463 75.613,46.463 U301.1@75.65,46.5 ; D300.1@81.5,10.9 81.5,12 ; 81.6,12 D301.1@81.6,13 81.8,13.2 81.8,28.2 80.8,29.2 77.3,29.2 71.2,35.3 71.2,41.5 71.2,46 71.668,46.468 ; C304.1@71.143,49.557 71.3,49.4 71.3,46.836 71.668,46.468
VRTC: C108.2 D104.3 Q101.2 Q104.1 R113.2 R118.2 R119.1 R122.1 U100.8 | length 22.4
  Top Layer w0.25: Q104.1@45,46.95 45,47.5 45.3,47.8 48.8,47.8 49,47.6 R119.1@49,46.8 R122.1@50.5,46.8 50.5,46.2 50.7,46 51.854,46 52,45.854 C108.2@52,45.2 52,44.3 51.105,43.405 U100.8@50.15,43.405 ; C108.2@52.05,45.15 52.4,45.5 D104.3@54,45.5 54.764,45.5 55.014,45.25 55.014,44.427 55.556,43.884 56.069,43.884 56.3,43.654 R113.2@56.3,43 R118.2@57.7,43 57.7,43.7 57.8,43.8 58,44 Q101.2@58,44.55
VUSB: D301.2 D302.2 FB401.2 | length 4.8
  Top Layer w0.25: D301.2@84.4,13 84.4,12.05 85.275,11.175 85.275,11.125 85.45,10.95 D302.2@85.5,10.95
  Top Layer w0.5: D301.2@84.3,13.1 FB401.2@84.3,15.4
pads on no net: D104.1 D105.2 D401.3 D401.4 HY100.17 HY100.18 HY200.7 HY200.8 HY200.9 HY200.10 J100.MH1 J100.MH2 J200.2 J200.4 J200.6 J200.8 J200.10 J200.12 J200.MH1 J200.MH2 J200.MH3 J200.MH4 J200.MH5 J200.MH6 J200.MH7 J200.MH8 J200.MH9 J200.MH10 J200.MH11 J200.MH12 J201.2 J201.4 J201.6 J201.8 J201.10 J201.12 J201.MH1 J201.MH2 J201.MH3 J201.MH4 J201.MH5 J201.MH6 J201.MH7 J201.MH8 J201.MH9 J201.MH10 J201.MH11 J201.MH12 J300.2 J401.A8 J401.B8 J401.MH1 J401.MH2 MP200.1 MP201.1 MP202.1 U201.13 U300.4

## Polygon pours and split planes (outlines as drawn)
GND on Bottom Layer "GND_L02_P002" (solid, remove dead copper, pour order 2): -6,79 114,79 114,-5 -6,-5
GND on Bottom Layer "NONET_L-01_P-001" (solid, pour order 0): 96.5,30.5 96.5,9.5 93,6 90.5,6 90.5,28.5 92.5,30.5
GND on Top Layer "NONET_L-01_P-001" (solid, pour order 1): 71.8,46.9 71.8,42.8 84.9,42.8 84.9,46.9

## Keep-outs
Top Layer:
  region: 105.7,58.425 105.7,53 102.3,49.6 102.3,26.4 104.5,24.2 104.5,16 107,17.49 109.5,17.99 109.5,57
Bottom Layer:
  region: 105.7,58.425 105.7,53 102.3,49.6 102.3,26.4 104.5,24.2 104.5,16 107,17.49 109.5,17.99 109.5,57

## Other copper
Top Layer:
  rectangle net GND: 84.3,57.2 85.8,58.8
  rectangle net NetC406_2: 73.6,53.9 75.1,54.8
  rectangle net NetC405_2: 75.9,53.9 77.4,54.9
  region net GND: 65.5,56.2 65.5,54.1 70.1,54.1 70.1,56.2
  region net GND: 72.5,65 72.5,62 77.5,62 77.5,65
  rectangle net GND: 92.5,34.5 97.5,39.5
  region net VMOTOR: 65.5,61.8 65.5,57.7 70.5,57.7 70.5,61.8
  region net GND: 72,63.3 72,60.8 70.7,60.8 70.7,62.5 65.4,62.5 65.4,64.8 70.7,64.8 70.7,63.3
Bottom Layer:
  rectangle net GND: 84.3,58 85.7,58.8
  rectangle net NetC405_2: 75.9,53.9 77.4,55.8
  rectangle net NetC406_2: 73.6,53.9 75.1,55.8
  region net VBAT: 89.6,54.1 89.6,55.1 88.4,55.1 88.4,54.1

## Silkscreen, mask and mechanical layers (free items; w line width, h text height)
Top Overlay:
  text ".board_name" at 28,6 h2
  text ".project_revision" at 28,4 h2
Bottom Overlay:
  text "MOTOR" at 79.86,46.045 h3
  text "BATTERY" at 91.661,46 h3
Board Outline:
  lines w0.1: 0.479,17.487 cw(c0,8.5) 9,8.5 9,1 ccw(c10,1) 10,0 100,0 ccw(c100,1) 101,1 101,8.5 cw(c110,8.5) 109.521,17.487 ; 0.479,57.513 ccw(c0,66.5) 9,66.5 9,74 cw(c10,74) 10,75 100,75 cw(c100,74) 101,74 101,66.5 ccw(c110,66.5) 109.521,57.513 ; 0.479,17.49 cw(c0.5,17.99) 0,18.011 0,56.989 cw(c0.5,57.01) 0.479,57.51 ; 109.521,17.49 ccw(c109.5,17.99) 110,18.011 110,56.989 ccw(c109.5,57.01) 109.521,57.51

## Dimensions
10,75 to 10,0 on Dimensions
110,56.989 to 0,56.989 on Dimensions

## Text inside footprints (layer, text, board x,y; h text height)
HY200: Top Component Center "1" at 22,66 h2